# Altium PCB 2025001 B Soutra Plainsong Metronome_PCB.PcbDoc (part 1 of 2) (continued)
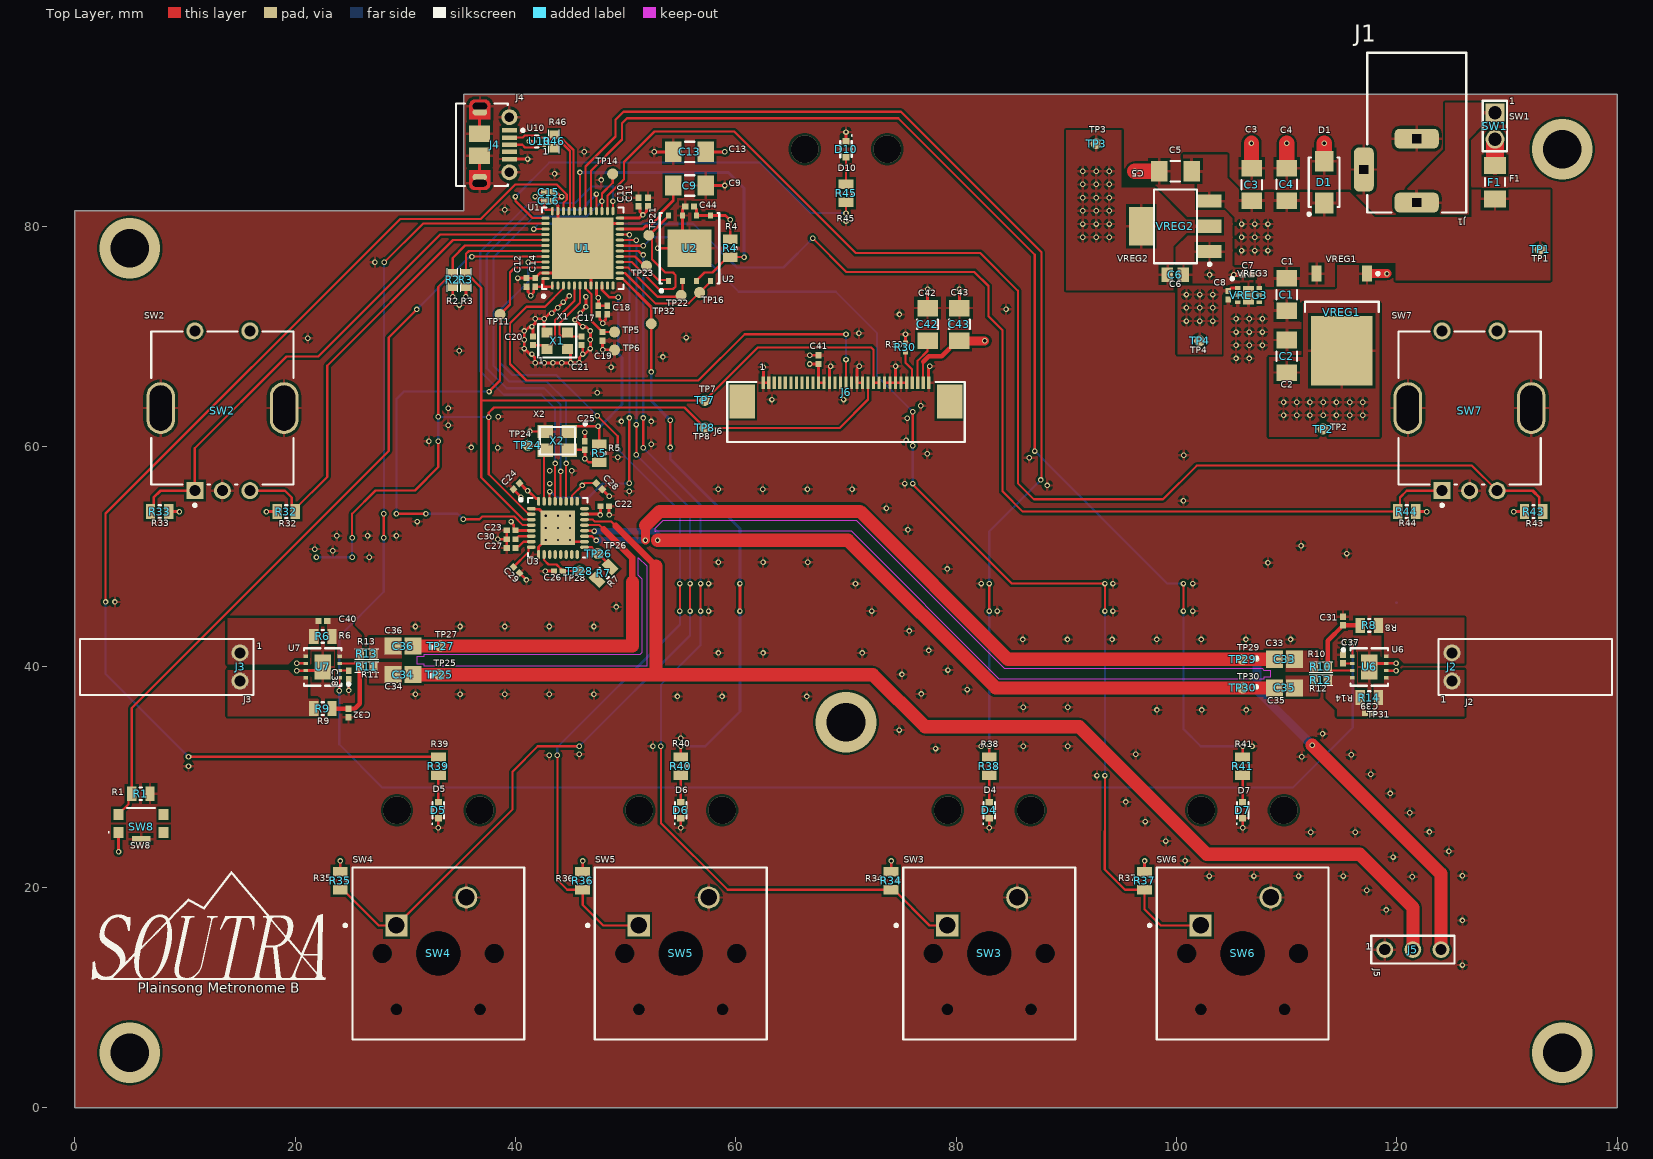
[diagram p0: Top Layer view]
## Part data (continued)
C31 C32 C39 C40: "Ceramic Capacitor, Multilayer, Ceramic, 50V, 10% +Tol, 10% -Tol, X7R, 15% TC, 0.00022uF, Surface Mount, 0402", Alternative Part Supplier Part Number=1758981, Capacitor Type=Ceramic, Case/Package=0402, Manufacturer=Yageo, Max Operating Temperature=125°C, Min Operating Temperature=-55°C, Package Shape=Rectangular, Package Style=SMTMeter, Rated DC Voltage (URdc)=50V, Supplier Part Number 1=4254872, Temperature Characteristics Code=X7R, Tolerance  (fill in as +-)=10%, Alternative Part=MC0402B221K500CT, Alternative Part Supplier=Farnell, Category="Ceramic Capacitors", ComponentLink1Description=https://datasheet.ciiva.com:443/pdfs/VipMasterIC/IC/YAGO/YAGO-S-A0003557223/YAGO-S-A0003557223-1.pdf?src-supplier=IHS+Markit, ComponentLink1URL=https://datasheet.ciiva.com:443/pdfs/VipMasterIC/IC/YAGO/YAGO-S-A0003557223/YAGO-S-A0003557223-1.pdf?src-supplier=IHS+Markit, ComponentLink2Description=https://datasheet.ciiva.com/13208/upy-gphc-x7r-6-3v-to-50v-8-12304-13208487.pdf?src-supplier=Mouser, ComponentLink2URL=https://datasheet.ciiva.com/13208/upy-gphc-x7r-6-3v-to-50v-8-12304-13208487.pdf?src-supplier=Mouser, Dielectric Material=Ceramic, Height=0.5mm, JESD-609 Code=e3, Length=1mm, Manufacturer Part Number=CC0402KPX7R9BB221, Mounting Technology="Surface Mount", Multilayer=Yes, Packaging="Tape and Reel", Pins=2, Pricing 1="10=0.0069, 500=0.0055, 2500=0.0042, 10000=0.003, 25000=0.0029, 50000=0.0028, 250000=0.0027, 500000=0.0026 (GBP)", Pricing 2="1=0.08, 10=0.016, 50=0.0092, 100=0.007", Reach SVHC Compliant=Yes, RoHS=Yes, RoHS Compliant=Yes, Stock 1=49750, Stock 2=333936, Supplier 1=Farnell, Supplier 2=Digikey, Supplier Part Number 2=311-1035-1-ND, Terminal Finish=Nickel, Termination=Wraparound, Tolerance (fill in as +-)=10%, Width=0.5mm
C33 C34 C35 C36: "Surface Mount Tantalum Capacitor, 2.2 µF, 16 V, 0805 [2012 Metric], ± 10%, 6.5 ohm, R", Manufacturer="AVX Interconnect / Elco", Supplier Part Number 1=2112773, Manufacturer Part Number=TAJR225K016RNJ, Part Number=TAJR225K016RNJ, Pricing 1="5=0.3684, 50=0.2592", Stock 1=340, Supplier 1=Farnell
D1: "TVS Diode, TRANSZORB SMAJ, Bidirectional, 13 V, 21.5 V, DO-214AC (SMA), 2 Pins", Manufacturer=Vishay, Supplier Part Number 1=3530003, Manufacturer Part Number=SMAJ13CAHM3_A/H, Pricing 1="5=0.168, 10=0.146, 100+0.122", Stock 1=8321, Supplier 1=Farnell
D4 D5 D6 D7 D10: "Led, Green, 70Mcd, 575Nm, 0603 Rohs Compliant: Yes", Alternative Part Manufacturer="AMS OSRAM GROUP", Alternative Part Supplier Part Number=2575345, Manufacturer=Multicomp, Supplier Part Number=3796313, Alternative Part="LG Q396-PS-35", Alternative Part Supplier=Farnell, Category=Uncategorized, Manufacturer Part Number=MP008282, Pricing="5=0.0713, 10=0.0611, 100=0.0476", RoHS=No, Stock=8324, Supplier=Farnell
F1: "MULTICOMP PRO MP001600Fuse, Surface Mount, 1.5 A, Fast Acting, 72 VDC, 1206 [3216 Metric]", Manufacturer=Multicomp, Supplier Part Number=3285103, Manufacturer Part Number=MP001600, Pricing="5=0.094, 50=0.0739, 250=0.0627, 500=0.0559, 1500=0.0459 (GBP)", RoHS=No, Stock=2998, Supplier=Farnell
J1: "Circular DC Power Connector", Manufacturer="Wurth Electronics", Supplier Part Number=2472149, Supplier Part Number 1=732-5930-ND, Category=Connectors, ComponentLink1Description=https://datasheet.ciiva.com:443/pdfs/VipMasterIC/IC/MIDC/MIDC-S-A0001193031/MIDC-S-A0001193031-1.pdf?src-supplier=IHS+Markit, ComponentLink1URL=https://datasheet.ciiva.com:443/pdfs/VipMasterIC/IC/MIDC/MIDC-S-A0001193031/MIDC-S-A0001193031-1.pdf?src-supplier=IHS+Markit, ComponentLink2Description=http://www.mouser.com/ds/2/445/6941xx303002-469289.pdf?src-supplier=Mouser, ComponentLink2URL=http://www.mouser.com/ds/2/445/6941xx303002-469289.pdf?src-supplier=Mouser, ComponentLink3Description=http://www.farnell.com/cad/2130963.pdf?src-supplier=Element14, ComponentLink3URL=http://www.farnell.com/cad/2130963.pdf?src-supplier=Element14, ComponentLink4Description=https://katalog.we-online.de/em/datasheet/6941xx303002.pdf?src-supplier=Digikey, ComponentLink4URL=https://katalog.we-online.de/em/datasheet/6941xx303002.pdf?src-supplier=Digikey, Connector Type=Circular,Power, Contact Finish - Mating="NOT SPECIFIED", Manufacturer Part Number=694103303002, Pricing="1=1.14, 10=0.84, 100=0.78", Pricing 1="1=0.81, 10=0.77, 50=0.68, 100=0.63", Reach SVHC Compliant=Yes, RoHS=Yes, RoHS Compliant=Yes, Stock=6324, Stock 1=11140, Supplier=Farnell, Supplier 1=Digikey
J2 J3: "Board Connector, 2 Contact(s), 1 Row(s), Male, Right Angle, 0.1 inch Pitch, Solder Terminal, Locking, Natural Insulator, Receptacle", Contact Resistance=10mR, Flammability Rating="UL94 V-0", Insulation Color=Natural, Insulation Resistance=1GR, Manufacturer=Molex, Max Operating Temperature=105°C, Min Operating Temperature=-40°C, Rated Current (Signal)=4A, Supplier Part Number 1=9731601, Body Breadth=0.228inch, Body Depth=0.568inch, Body Length=0.2inch, Body/Shell Style=RECEPTACLE, Category="Headers and Wire Housings", ComponentLink1Description=https://datasheet.ciiva.com:443/pdfs/VipMasterIC/IC/MOLE/MOLE-S-A0002841204/MOLE-S-A0002841204-1.pdf?src-supplier=IHS+Markit, ComponentLink1URL=https://datasheet.ciiva.com:443/pdfs/VipMasterIC/IC/MOLE/MOLE-S-A0002841204/MOLE-S-A0002841204-1.pdf?src-supplier=IHS+Markit, ComponentLink2Description=http://www.farnell.com/datasheets/2700806.pdf?src-supplier=Farnell, ComponentLink2URL=http://www.farnell.com/datasheets/2700806.pdf?src-supplier=Farnell, ComponentLink3Description=http://datasheet.octopart.com/22-05-7028-Molex-datasheet-10979095.pdf?src-supplier=Avnet, ComponentLink3URL=http://datasheet.octopart.com/22-05-7028-Molex-datasheet-10979095.pdf?src-supplier=Avnet, Connector Type="BOARD CONNECTOR", Contact Finish - Mating="TIN (200)", Contact Finish - Termination="Tin (Sn)", Contact Gender=Male, Contact Pattern=RECTANGULAR, Contact Style="SQ PIN-SKT", DIN Conformance=No, Durability=50Cycles, Filter Feature=No, IEC Conformance=No, Insertion Force-Max=1.946N, Insulation Material=Nylon, JESD-609 Code=e3, Manufacturer Part Number=22-05-7028, Mating Contact Pitch=0.1inch, Mating Information="MULTIPLE MATING PARTS AVAILABLE", MIL Conformance=No, Mixed Contacts=No, Mounting Option 1=LOCKING, Mounting Style="RIGHT ANGLE", Mounting Technology=Board, Number Of Connectors=1, Number of Contacts=2, Number Of PCB Rows=1, Number of Rows Loaded=1, Option="General Purpose", PCB Contact Pattern=RECTANGULAR, Plating Thickness=60uin, Polarization Key="POLARIZED HOUSING", Pricing 1="1=0.78, 10=0.64, 50=0.57, 100=0.50", Reach SVHC Compliant=Yes, Reference Standard=UL, Reliability=COMMERCIAL, RoHS=Yes, RoHS Compliant=Yes, Stock 1=34887, Supplier 1=Farnell, Terminal Length=0.15inch, Terminal Pitch=2.54mm, Termination=Solder, Withdrawl Force-Min=0.556N
J4: "Telecom and Datacom Connector, 5 Contact(s), Female, Right Angle, Surface Mount Terminal, Detent, Receptacle", Manufacturer=Molex, Manufacturer Part Number=105017-0001, Supplier Part Number=3500663, Supplier Part Number 1=8486764, Pricing=1=0.97, Pricing 1="5=0.754, 75=0.67", Supplier=Farnell, Supplier 1=Rs
J5: library part J_AUDIO_TRS
J6: "FFC/FPC Connector, 31 Contact(s), 1 Row(s), Female, Right Angle, 0.02 inch Pitch, Surface Mount Terminal, Locking, Natural Insulator", Contact Resistance=35mR, Dielectric Withstanding Voltage (AC)=250V, Flammability Rating="UL94 V-0", Insulation Color=Natural, Insulation Resistance=50MR, Manufacturer="TE Connectivity", Manufacturer Series=1734592, Max Operating Temperature=85°C, Min Operating Temperature=-40°C, Rated Current (Signal)=500mA, Supplier Part Number 1=3398664, Body Breadth=0.079inch, Body Depth=0.201inch, Body Length=0.824inch, Category="FFC / FPC", ComponentLink1Description=https://www.te.com:443/usa-en/product-3-1734592-1.datasheet.pdf?src-supplier=IHS+Markit, ComponentLink1URL=https://www.te.com:443/usa-en/product-3-1734592-1.datasheet.pdf?src-supplier=IHS+Markit, ComponentLink2Description=https://datasheet.ciiva.com/10364/eng-ds-1-1773440-6-0506-10364463.pdf?src-supplier=Avnet, ComponentLink2URL=https://datasheet.ciiva.com/10364/eng-ds-1-1773440-6-0506-10364463.pdf?src-supplier=Avnet, ComponentLink3Description=https://datasheet.ciiva.com/8066/1650059-8066840.pdf?src-supplier=Element14, ComponentLink3URL=https://datasheet.ciiva.com/8066/1650059-8066840.pdf?src-supplier=Element14, ComponentLink4Description=https://datasheet.ciiva.com/49629/eng-ds-1-1773440-6-0506-49629301.pdf?src-supplier=Onlinecomponents.com, ComponentLink4URL=https://datasheet.ciiva.com/49629/eng-ds-1-1773440-6-0506-49629301.pdf?src-supplier=Onlinecomponents.com, ComponentLink5Description=https://datasheet.ciiva.com/671/eng-cd-1734592-c-c-1734592-671970.pdf?src-supplier=Digikey, ComponentLink5URL=https://datasheet.ciiva.com/671/eng-cd-1734592-c-c-1734592-671970.pdf?src-supplier=Digikey, ComponentLink6Description=https://datasheet.ciiva.com/671/eng-cd-1734592-c-c-1734592-671971.pdf?src-supplier=Digikey, ComponentLink6URL=https://datasheet.ciiva.com/671/eng-cd-1734592-c-c-1734592-671971.pdf?src-supplier=Digikey, ComponentLink7Description=https://datasheet.ciiva.com/671/eng-cd-1734592-c-c-1734592-671972.pdf?src-supplier=Digikey, ComponentLink7URL=https://datasheet.ciiva.com/671/eng-cd-1734592-c-c-1734592-671972.pdf?src-supplier=Digikey, Connector Type="CARD EDGE CONNECTOR", Contact Finish - Mating="NOT SPECIFIED", Contact Gender=Female, Contact Pattern=RECTANGULAR, Contact Style="BELLOWED TYPE", DIN Conformance=No, Durability=15Cycles, Filter Feature=No, IEC Conformance=No, Insulation Material=Thermoplastic, Manufacturer Part Number=3-1734592-1, Mating Contact Pitch=0.02inch, Mating Information=NO, MIL Conformance=No, Mixed Contacts=No, Mounting Option 1=LOCKING, Mounting Style="RIGHT ANGLE", Mounting Technology=Board, Number of Contacts=31, Number Of PCB Rows=1, Number of Rows Loaded=1, Option="General Purpose", PCB Contact Pattern=RECTANGULAR, Pricing 1="1=1.44, 10=1.26, 100=1.15", Reach SVHC Compliant=Yes, Reference Standard=UL, Reliability=COMMERCIAL, RoHS=Yes, RoHS Compliant=Yes, Stock 1=10236, Supplier 1=Farnell, Terminal Pitch=0.5mm, Termination=SMD/SMT
R1 R4 R5 R6 R8 R9 R14 R32 R33 R34 R35 R36 R37 R43 R44: "Fixed Resistor, Metal Glaze/thick Film, 0.125W, 10000ohm, 150V, 5% +/-Tol, 100ppm/Cel, Surface Mount, 0805", Alternative Part Supplier Part Number=2073612, Case/Package=0805, Manufacturer=Yageo, Max Operating Temperature=155°C, Min Operating Temperature=-55°C, Package Height=0.5mm, Package Length=2mm, Package Shape=Rectangular, Package Style=SMTMeter, Package Width=1.25mm, Power=125mW, Rated Temperature=70°C, Resistor Type="FIXED RESISTOR", Supplier Part Number=9234136, Supplier Part Number 1=311-10KARCT-ND, Temperature Coefficient=100ppm/°C, Tolerance=5%, Working Voltage=150V, Additional Feature="LASER TRIMMABLE", Alternative Part="MCMR08X103 JTL", Alternative Part Supplier=Farnell, Category="Chip SMD Resistors", ComponentLink1Description=https://datasheet.ciiva.com:443/pdfs/VipMasterIC/IC/YAGO/YAGO-S-A0008145938/YAGO-S-A0008145938-1.pdf?src-supplier=IHS+Markit, ComponentLink1URL=https://datasheet.ciiva.com:443/pdfs/VipMasterIC/IC/YAGO/YAGO-S-A0008145938/YAGO-S-A0008145938-1.pdf?src-supplier=IHS+Markit, ComponentLink2Description=https://datasheet.ciiva.com/7983/444164-7983765.pdf?src-supplier=Element14, ComponentLink2URL=https://datasheet.ciiva.com/7983/444164-7983765.pdf?src-supplier=Element14, ComponentLink3Description=https://datasheet.ciiva.com/7941/444164-7941870.pdf?src-supplier=Element14, ComponentLink3URL=https://datasheet.ciiva.com/7941/444164-7941870.pdf?src-supplier=Element14, ComponentLink4Description=https://datasheet.ciiva.com/7941/444164-7941871.pdf?src-supplier=Element14, ComponentLink4URL=https://datasheet.ciiva.com/7941/444164-7941871.pdf?src-supplier=Element14, Construction=Chip, JESD-609 Code=e3, Manufacturer Part Number=RC0805JR-0710KL, Mounting Technology="Surface Mount", Packaging="Tape and Reel", Pins=2, Pricing="10=0.013, 100=0.007, 500=0.006", Pricing 1="1=0.08, 10=0.018, 50=0.011, 100=0.009", Reach SVHC Compliant=Yes, RoHS=Yes, RoHS Compliant=Yes, Stock=893694, Supplier=Farnell, Supplier 1=Digikey, Technology="METAL GLAZE/THICK FILM", Terminal Finish=Nickel, Termination=Wraparound
R2 R3: "Fixed Resistor, Metal Glaze/thick Film, 0.1W, 10000ohm, 75V, 5% +/-Tol, 200ppm/Cel, Surface Mount, 0603", Alternative Part Manufacturer="Stackpole Electronics Inc", Alternative Part Supplier Part Number=RMCF0603FT10K0CT-ND, Case/Package=0603, Manufacturer="KOA Speer", Max Operating Temperature=155°C, Min Operating Temperature=-55°C, Package Height=0.45mm, Package Length=1.6mm, Package Style=SMTMeter, Package Width=0.8mm, Power=100mW, Rated Temperature=70°C, Resistor Type="FIXED RESISTOR", Supplier Part Number=4009056, Supplier Part Number 1=2019-RK73B1JTTD103JCT-ND, Temperature Coefficient=200ppm/°C, Tolerance=5%, Working Voltage=75V, Alternative Part=RMCF0603FT10K0, Alternative Part Supplier=Digikey, Category="Chip SMD Resistors", ComponentLink1Description=https://datasheet.ciiva.com:443/pdfs/VipMasterIC/IC/KOAS/KOAS-S-A0009586303/KOAS-S-A0009586303-1.pdf?src-supplier=IHS+Markit, ComponentLink1URL=https://datasheet.ciiva.com:443/pdfs/VipMasterIC/IC/KOAS/KOAS-S-A0009586303/KOAS-S-A0009586303-1.pdf?src-supplier=IHS+Markit, ComponentLink2Description=https://datasheet.ciiva.com/34302/1877832-34302947.pdf?src-supplier=Jameco, ComponentLink2URL=https://datasheet.ciiva.com/34302/1877832-34302947.pdf?src-supplier=Jameco, ComponentLink3Description=https://datasheet.ciiva.com/7773/548635-7773278.pdf?src-supplier=Element14, ComponentLink3URL=https://datasheet.ciiva.com/7773/548635-7773278.pdf?src-supplier=Element14, ComponentLink4Description=https://datasheet.ciiva.com/5554/rk73b-5554408.pdf?src-supplier=Mouser, ComponentLink4URL=https://datasheet.ciiva.com/5554/rk73b-5554408.pdf?src-supplier=Mouser, Construction=Rectangular, JESD-609 Code=e3, Manufacturer Part Number=RK73B1JTTD103J, Mounting Technology="Surface Mount", Packaging="Tape and Reel", Pins=2, Pricing="10=0.009, 100=0.003", Pricing 1="1=0.08, 10=0.012, 50=0.0078, 100=0.0064", Reach SVHC Compliant=Yes, Reference Standard=AEC-Q200, RoHS=Yes, RoHS Compliant=Yes, Stock=750000, Supplier=Farnell, Supplier 1=Digikey, Technology="METAL GLAZE/THICK FILM", Terminal Finish=Nickel, Termination=Wraparound
R7: "Fixed Resistor, Metal Glaze/thick Film, 0.33W, 2700ohm, 150V, 1% +/-Tol, 100ppm/Cel, Surface Mount, 0805", Alternative Part Manufacturer="Multicomp Pro", Alternative Part Supplier Part Number=9332375, Manufacturer="TE Connectivity", Resistor Type="FIXED RESISTOR", Supplier Part Number=2332077, Supplier Part Number 1=279-CRGH0805F2K7, Alternative Part=MC01W08051100R, Alternative Part Supplier=Farnell, Category="Chip SMD Resistors", ComponentLink1Description=https://www.te.com:443/usa-en/product-1-2176185-0.datasheet.pdf?src-supplier=IHS+Markit, ComponentLink1URL=https://www.te.com:443/usa-en/product-1-2176185-0.datasheet.pdf?src-supplier=IHS+Markit, ComponentLink2Description=https://datasheet.ciiva.com/22670/1755795-22670377.pdf?src-supplier=Element14, ComponentLink2URL=https://datasheet.ciiva.com/22670/1755795-22670377.pdf?src-supplier=Element14, ComponentLink3Description=https://datasheet.ciiva.com/28583/1755795-28583016.pdf?src-supplier=Element14, ComponentLink3URL=https://datasheet.ciiva.com/28583/1755795-28583016.pdf?src-supplier=Element14, Manufacturer Part Number=CRGH0805F2K7, Pins=2, Pricing=10=0.0381, Pricing 1="1=0.096, 10=0.065, 100=0.033", Reach SVHC Compliant=Yes, RoHS=Yes, RoHS Compliant=Yes, Stock=2438, Supplier=Farnell, Supplier 1=Mouser
R10 R11 R12 R13: "Fixed Resistor, 0.1W, 5100ohm, 75V, 5% +/-Tol, 100ppm/Cel, Surface Mount, 0603", Alternative Part Supplier Part Number=2073522, Case/Package=0603, Manufacturer=Multicomp, Manufacturer Series=MCMR06, Max Operating Temperature=155°C, Min Operating Temperature=-55°C, Package Shape=Rectangular, Power=100mW, Rated Temperature=70°C, Resistor Type="FIXED RESISTOR", Supplier Part Number 1=2073528, Temperature Coefficient=100ppm/°C, Tolerance=5%, Working Voltage=75V, Alternative Part=MCMR06X5101FTL, Alternative Part Supplier=Farnell, Category="Chip SMD Resistors", ComponentLink1Description=https://datasheet.ciiva.com:443/pdfs/VipMasterIC/IC/SCMP/SCMPS00167/SCMPS00167-1.pdf?src-supplier=IHS+Markit, ComponentLink1URL=https://datasheet.ciiva.com:443/pdfs/VipMasterIC/IC/SCMP/SCMPS00167/SCMPS00167-1.pdf?src-supplier=IHS+Markit, ComponentLink2Description=https://datasheet.ciiva.com/28686/1716707-28686598.pdf?src-supplier=Element14, ComponentLink2URL=https://datasheet.ciiva.com/28686/1716707-28686598.pdf?src-supplier=Element14, JESD-609 Code=e3, Manufacturer Part Number=MCMR06X512JTL, Mounting Technology="Surface Mount", Packaging="Tape and Reel", Pins=2, Pricing 1="10=0.0065, 100=0.0056, 500=0.0047, 1000=0.004, 2500=0.0027, 5000=0.0021, 25000=0.0016, 50000=0.0013 (GBP)", Reference Standard=AEC-Q200, RoHS=Yes, RoHS Compliant=Yes, Stock 1=4951, Supplier 1=Farnell, Terminal Finish=Tin, Termination=Wraparound
R30: "Fixed Resistor, Metal Glaze/thick Film, 0.0625W, 590000ohm, 50V, 1% +/-Tol, 100ppm/Cel, Surface Mount, 0402", Alternative Part Manufacturer=Vishay, Alternative Part Supplier Part Number=2141013, Case/Package=0402, Manufacturer=Yageo, Max Operating Temperature=155°C, Min Operating Temperature=-55°C, Package Height=0.35mm, Package Length=1mm, Package Shape=Rectangular, Package Style=SMTMeter, Package Width=0.5mm, Power=62.5mW, Rated Temperature=70°C, Resistor Type="FIXED RESISTOR", Supplier Part Number 1=3951243, Temperature Coefficient=100ppm/°C, Tolerance=1%, Working Voltage=50V, Additional Feature="LASER TRIMMABLE", Alternative Part=CRCW0402590KFKED, Alternative Part Supplier=Farnell, Category="Chip SMD Resistors", ComponentLink1Description=https://datasheet.ciiva.com:443/pdfs/VipMasterIC/IC/YAGO/YAGO-S-A0008145938/YAGO-S-A0008145938-1.pdf?src-supplier=IHS+Markit, ComponentLink1URL=https://datasheet.ciiva.com:443/pdfs/VipMasterIC/IC/YAGO/YAGO-S-A0008145938/YAGO-S-A0008145938-1.pdf?src-supplier=IHS+Markit, ComponentLink2Description=https://datasheet.ciiva.com/8885/pyu-rc0402-51-rohs-l-6-8885212.pdf?src-supplier=Avnet, ComponentLink2URL=https://datasheet.ciiva.com/8885/pyu-rc0402-51-rohs-l-6-8885212.pdf?src-supplier=Avnet, ComponentLink3Description=https://datasheet.ciiva.com/17419/pyu-rc0402-51-rohs-l-6-r-17419533.pdf?src-supplier=Future+Electronics, ComponentLink3URL=https://datasheet.ciiva.com/17419/pyu-rc0402-51-rohs-l-6-r-17419533.pdf?src-supplier=Future+Electronics, Construction=Chip, JESD-609 Code=e3, Manufacturer Part Number=RC0402FR-07590KL, Mounting Technology="Surface Mount", Packaging="Tape and Reel", Pins=2, Pricing 1="10=0.0096, 100=0.0055", Pricing 2="1=0.08, 10=0.012, 50=0.007, 100=0.0058", Reach SVHC Compliant=Yes, RoHS=Yes, RoHS Compliant=Yes, Stock 1=37168, Stock 2=999878, Supplier 1=Farnell, Supplier 2=Digikey, Supplier Part Number 2=311-59KLRCT-ND, Technology="METAL GLAZE/THICK FILM", Terminal Finish=Nickel, Termination=Wraparound
R38 R39 R40 R41 R45: "Fixed Resistor, Metal Glaze/thick Film, 0.125W, 100ohm, 150V, 1% +/-Tol, 100ppm/Cel, Surface Mount, 0805", Alternative Part Manufacturer=VISHAY, Alternative Part Supplier Part Number=1469862, Case/Package=0805, Manufacturer="Vishay Dale", Max Operating Temperature=155°C, Min Operating Temperature=-55°C, Package Height=0.45mm, Package Length=2mm, Package Shape=Rectangular, Package Style=SMTMeter, Package Width=1.25mm, Power=125mW, Rated Temperature=70°C, Resistor Type="FIXED RESISTOR", Supplier Part Number=1652906, Supplier Part Number 1=71-CRCW0805-100, Temperature Coefficient=100ppm/°C, Tolerance=1%, Working Voltage=150V, Alternative Part=CRCW0805100RFKEA, Alternative Part Supplier=Farnell, Category="Chip SMD Resistors", ComponentLink1Description=https://datasheet.ciiva.com:443/pdfs/VipMasterIC/IC/VISH/VISH-S-A0002183699/VISH-S-A0002183699-1.pdf?src-supplier=IHS+Markit, ComponentLink1URL=https://datasheet.ciiva.com:443/pdfs/VipMasterIC/IC/VISH/VISH-S-A0002183699/VISH-S-A0002183699-1.pdf?src-supplier=IHS+Markit, ComponentLink2Description=https://datasheet.ciiva.com/48525/dcrcw-48525548.pdf?src-supplier=Avnet, ComponentLink2URL=https://datasheet.ciiva.com/48525/dcrcw-48525548.pdf?src-supplier=Avnet, ComponentLink3Description=https://datasheet.ciiva.com/3258/dcrcw-3258014.pdf?src-supplier=Avnet, ComponentLink3URL=https://datasheet.ciiva.com/3258/dcrcw-3258014.pdf?src-supplier=Avnet, ComponentLink4Description=https://datasheet.ciiva.com/2567/dcrcw-2567005.pdf?src-supplier=Digi-Key, ComponentLink4URL=https://datasheet.ciiva.com/2567/dcrcw-2567005.pdf?src-supplier=Digi-Key, ComponentLink5Description=https://datasheet.ciiva.com/22673/1533075-22673125.pdf?src-supplier=Element14, ComponentLink5URL=https://datasheet.ciiva.com/22673/1533075-22673125.pdf?src-supplier=Element14, ComponentLink6Description=https://datasheet.ciiva.com/16498/dcrcw-16498296.pdf?src-supplier=Future+Electronics, ComponentLink6URL=https://datasheet.ciiva.com/16498/dcrcw-16498296.pdf?src-supplier=Future+Electronics, Construction=Chip, JESD-609 Code=e0, Manufacturer Part Number=CRCW0805100RFKTA, Mounting Technology="Surface Mount", Packaging="Tape and Reel", Pins=2, Pricing="10=0.06, 100=0.026", Pricing 1="1=0.12, 10=0.042, 100=0.027", Reach SVHC Compliant=No, Reference Standard=AEC-Q200, RoHS=No, RoHS Compliant=No, Stock=46002, Supplier=Farnell, Supplier 1=Mouser, Technology="METAL GLAZE/THICK FILM", Terminal Finish=Nickel, Termination=Wraparound
R46: "Res Thick Film 0603 91 Ohm 1% 0.25W(1/4W) ±100ppm/C Pad SMD Automotive T/R", Manufacturer=Panasonic, Supplier Part Number=2335962, Category="Chip SMD Resistors", ComponentLink1Description=https://datasheet.ciiva.com/49048/1801181-49048216.pdf?src-supplier=Element14, ComponentLink1URL=https://datasheet.ciiva.com/49048/1801181-49048216.pdf?src-supplier=Element14, Manufacturer Part Number=ERJ-PA3F91R0V, Pricing="10=0.05, 100=0.03", RoHS=Yes, Stock=5736, Supplier=Farnell
SW1: "PTH Mounting Holes for Wire-to-board switch, 1.2mm diameter, >=17AWG"
SW2 SW7: "Rotary Position Encoder, Single, 2 Channels", Manufacturer=Bourns, Max Operating Temperature=70°C, Min Operating Temperature=-30°C, Supplier Part Number=2663532, Supplier Part Number 1=PEC12R-4220F-S0024-ND, Category=Encoders, Channels=1, ComponentLink1Description=https://datasheet.ciiva.com:443/pdfs/VipMasterIC/IC/BOUR/BOUR-S-A0008996893/BOUR-S-A0008996893-1.pdf?src-supplier=IHS+Markit, ComponentLink1URL=https://datasheet.ciiva.com:443/pdfs/VipMasterIC/IC/BOUR/BOUR-S-A0008996893/BOUR-S-A0008996893-1.pdf?src-supplier=IHS+Markit, ComponentLink2Description=https://datasheet.ciiva.com/29349/pec12r-29349497.pdf?src-supplier=Digikey, ComponentLink2URL=https://datasheet.ciiva.com/29349/pec12r-29349497.pdf?src-supplier=Digikey, Manufacturer Part Number=PEC12R-4220F-S0024, Optoelectronic Device Type="ROTARY POSITION ENCODER", Pricing="1=1.7, 5=1.49, 10=1.26, 20=1.16, 40=1.06, 75=0.97", Pricing 1="1=1.28, 5=1.21, 10=1.14, 25=1.04, 75=0.97", Reach SVHC Compliant=Yes, RoHS=Yes, RoHS Compliant=Yes, Stock=3003, Stock 1=677, Supplier=Farnell, Supplier 1=Digikey
SW3 SW4 SW5 SW6: "Keypad Switch, 1 Switches, SPST, Momentary, 0.01A, 12VDC, 0.78N, Solder Terminal, Through Hole-straight", Contact Current(DC)-Max=10mA, Contact DC Max Rating R Load=.01A@12VDC, Contact Voltage(DC)-Max=12V, Manufacturer=Cherry, Manufacturer Series=MX, Max Operating Temperature=70°C, Min Operating Temperature=-10°C, Operating Force-Max=0.78N, Supplier Part Number=ACHERSW0315325, Body Breadth=15.6inch, Body Height=11.6mm, Body Length or Diameter=15.6mm, Category="Pushbutton Switches", Circuit Configuration=1X1, ComponentLink1Description=https://datasheet.ciiva.com:443/pdfs/VipMasterIC/IC/CHCP/CHCP-S-A0000003074/CHCP-S-A0000003074-1.pdf?src-supplier=IHS+Markit, ComponentLink1URL=https://datasheet.ciiva.com:443/pdfs/VipMasterIC/IC/CHCP/CHCP-S-A0000003074/CHCP-S-A0000003074-1.pdf?src-supplier=IHS+Markit, ComponentLink2Description=https://datasheet.ciiva.com/19475/513412-19475559.pdf?src-supplier=Jameco, ComponentLink2URL=https://datasheet.ciiva.com/19475/513412-19475559.pdf?src-supplier=Jameco, ComponentLink3Description=https://datasheet.ciiva.com/29188/706333-da-01-de-tastenmodul-mx1a-11nw-0-01a-12v-29188128.pdf?src-supplier=Conrad, ComponentLink3URL=https://datasheet.ciiva.com/29188/706333-da-01-de-tastenmodul-mx1a-11nw-0-01a-12v-29188128.pdf?src-supplier=Conrad, ComponentLink4Description=https://datasheet.ciiva.com/2869/mxseries-2869564.pdf?src-supplier=Digikey, ComponentLink4URL=https://datasheet.ciiva.com/2869/mxseries-2869564.pdf?src-supplier=Digikey, ComponentLink5Description=https://datasheet.ciiva.com/22638/1825426-22638522.pdf?src-supplier=Element14, ComponentLink5URL=https://datasheet.ciiva.com/22638/1825426-22638522.pdf?src-supplier=Element14, ComponentLink6Description=https://datasheet.ciiva.com/1701/1825426-1701391.pdf?src-supplier=Newark, ComponentLink6URL=https://datasheet.ciiva.com/1701/1825426-1701391.pdf?src-supplier=Newark, ComponentLink7Description=https://datasheet.ciiva.com/30215/cherry-mx-series-key-switch-30215301.pdf?src-supplier=Onlinecomponents.com, ComponentLink7URL=https://datasheet.ciiva.com/30215/cherry-mx-series-key-switch-30215301.pdf?src-supplier=Onlinecomponents.com, ComponentLink8Description=https://datasheet.ciiva.com/14536/70207618-14536679.pdf?src-supplier=Allied+Electronics, ComponentLink8URL=https://datasheet.ciiva.com/14536/70207618-14536679.pdf?src-supplier=Allied+Electronics, Contact Bounce Time-Max=5ms, Electrical Life=50000000Cycles, Manufacturer Part Number=MX1A-11NW, Mounting Technology="Through Hole", Number of Switches=1, Pricing=10=5, Reach SVHC Compliant=Yes, RoHS=Yes, RoHS Compliant=Yes, Supplier="Mech Boards", Switch Action=MOMENTARY, Switch Function=SPST, Switch Type=Keypad, Termination=Solder
SW8: "Switch Tactile N.O. SPST Round Button Gull Wing 0.05A 32VDC 1VA 200000Cycle 4N SMD T/R", Case/Package=SMD/SMT, Contact Current Rating=50mA, Contact Resistance=100mΩ, Insulation Resistance=1GΩ, Manufacturer="C&K Components", Max Operating Temperature=85°C, Max Voltage Rating (DC)=32V, Min Operating Temperature=-40°C, Operating Force=4N, Power Rating=1W, Supplier Part Number=2908777, Actuator Length=508µm, Category="Tactile Switches", ComponentLink1Description=https://datasheet.octopart.com:443/KMR242G-LFS-C%26K-Components-datasheet-67873663.pdf?src-supplier=IHS, ComponentLink1URL=https://datasheet.octopart.com:443/KMR242G-LFS-C%26K-Components-datasheet-67873663.pdf?src-supplier=IHS, ComponentLink2Description=https://datasheet.octopart.com:443/KMR242GLFS-C%26K-Components-datasheet-104408627.pdf?src-supplier=Electro+Sonic, ComponentLink2URL=https://datasheet.octopart.com:443/KMR242GLFS-C%26K-Components-datasheet-104408627.pdf?src-supplier=Electro+Sonic, ComponentLink3Description=https://datasheet.octopart.com:443/KMR242GLFS-C%26K-Components-datasheet-13389051.pdf?src-supplier=Electro+Sonic, ComponentLink3URL=https://datasheet.octopart.com:443/KMR242GLFS-C%26K-Components-datasheet-13389051.pdf?src-supplier=Electro+Sonic, ComponentLink4Description=http://sigma.octopart.com:80/reach_statement/ITT-company-18.pdf?src-supplier=Compliance+Statements, ComponentLink4URL=http://sigma.octopart.com:80/reach_statement/ITT-company-18.pdf?src-supplier=Compliance+Statements, Contact Material=Silver, Contact Plating=Silver, Current Rating=50mA, Depth=4.6mm, Electrical Life=200kcycles, Height=1.4mm, Illumination Type=Non-Illuminated, Length=4.2mm, Lifecycle Status=Production, Manufacturer Part Number="KMR242G LFS", Max Current Rating=50mA, Mechanical Life=200kcycles, Mounting Technology="Surface Mount", Number of Positions=1, Orientation=Straight, Packaging="Tape and Reel", Pricing="10=0.297, 50=0.27, 100=0.258, 250=0.227 (GBP)", Radiation Hardening=No, REACH SVHC=Yes, RoHS=Compliant, Sealable=IP40, Stock=46207, Supplier=Farnell, Switch Function=Off-Mom, Switch Travel=300µm, Termination="Gull Wing", Throw Configuration=SPST, Voltage Rating (DC)=32V
TP1 TP2 TP3 TP4 TP5 TP6 TP7 TP8 TP11 TP12 TP13 TP14 TP15 TP16 TP21 TP22 TP23 TP24 TP25 TP26 TP27 TP28 TP29 TP30 TP31 TP32: "Test Point, SMD, Circular, Radius = 1mm"
U1: "RISC Microcontroller, 32-Bit, FLASH, 84MHz, CMOS", Case/Package=HVQCCN, Clock Frequency=26MHz, Manufacturer=STMicroelectronics, Max Operating Temperature=105°C, Max Supply Voltage=3.6V, Min Operating Temperature=-40°C, Min Supply Voltage=1.7V, Nominal Supply Voltage=3.3V, Package Shape=Square, Package Style="CHIP CARRIER, HEAT SINK/SLUG, VERY THIN PROFILEMeter", Supplier Part Number=2469576, Temperature Grade=INDUSTRIAL, Category=Microcontrollers, ComponentLink1Description=https://datasheet.ciiva.com:443/pdfs/VipMasterIC/IC/SGST/SGST-S-A0002802577/SGST-S-A0002802577-1.pdf?src-supplier=IHS+Markit, ComponentLink1URL=https://datasheet.ciiva.com:443/pdfs/VipMasterIC/IC/SGST/SGST-S-A0002802577/SGST-S-A0002802577-1.pdf?src-supplier=IHS+Markit, ComponentLink2Description=http://www.farnell.com/datasheets/2308718.pdf?src-supplier=Farnell, ComponentLink2URL=http://www.farnell.com/datasheets/2308718.pdf?src-supplier=Farnell, ComponentLink3Description=http://www.mouser.com/ds/2/389/stm32f401cb-956305.pdf?src-supplier=Mouser, ComponentLink3URL=http://www.mouser.com/ds/2/389/stm32f401cb-956305.pdf?src-supplier=Mouser, ComponentLink4Description=http://www.st.com/content/ccc/resource/technical/document/datasheet/9e/50/b1/5a/5f/ae/4d/c1/DM00086815.pdf/files/DM00086815.pdf/jcr:content/translations/en.DM00086815.pdf?src-supplier=Digikey, ComponentLink4URL=http://www.st.com/content/ccc/resource/technical/document/datasheet/9e/50/b1/5a/5f/ae/4d/c1/DM00086815.pdf/files/DM00086815.pdf/jcr:content/translations/en.DM00086815.pdf?src-supplier=Digikey, ComponentLink5Description=http://www.st.com/st-web-ui/static/active/en/resource/technical/document/datasheet/DM00102166.pdf?src-supplier=Avnet, ComponentLink5URL=http://www.st.com/st-web-ui/static/active/en/resource/technical/document/datasheet/DM00102166.pdf?src-supplier=Avnet, ComponentLink6Description=https://datasheet.octopart.com/STM32F401CBU7-STMicroelectronics-datasheet-46749032.pdf?src-supplier=Element14, ComponentLink6URL=https://datasheet.octopart.com/STM32F401CBU7-STMicroelectronics-datasheet-46749032.pdf?src-supplier=Element14, ComponentLink7Description=https://datasheet.octopart.com/STM32F401CBU7-STMicroelectronics-datasheet-27616295.pdf?src-supplier=Newark, ComponentLink7URL=https://datasheet.octopart.com/STM32F401CBU7-STMicroelectronics-datasheet-27616295.pdf?src-supplier=Newark, ComponentLink8Description=https://datasheet.octopart.com/STM32F401CBU7-STMicroelectronics-datasheet-68305517.pdf?src-supplier=SHENGYU+ELECTRONICS, ComponentLink8URL=https://datasheet.octopart.com/STM32F401CBU7-STMicroelectronics-datasheet-68305517.pdf?src-supplier=SHENGYU+ELECTRONICS, Height - Seated (Max)=0.6mm, JESD-30 Code=S-XQCC-N48, Length=7mm, Manufacturer Part Number=STM32F401CBU7, Number of I/O Lines=36, Pins=48, Pricing=1=3.42, Pricing 1="1=4.88, 10=4.38, 25=4.14, 80=3.59", Reach SVHC Compliant=Yes, RoHS=Yes, RoHS Compliant=Yes, Speed=84RPM, Stock=7280, Supplier=Farnell, Supplier 1=Digikey, Supplier Part Number 1=STM32F401CBU7, Surface Mount=Yes, Technology=CMOS, Terminal Form="No Lead", Terminal Pitch=0.5mm, Terminal Position=QUAD, Width=7mm
U2: "Flash, 64MX1, PDSO8", Case/Package=HVSON, Clock Frequency=85MHz, Manufacturer="Adesto Technologies", Max Operating Temperature=85°C, Max Supply Voltage=3.6V, Min Operating Temperature=-40°C, Min Supply Voltage=1.7V, Nominal Supply Voltage=2.3V, Operating Mode=SYNCHRONOUS, Package Body Material=Plastic, Package Shape=Rectangular, Package Style="SMALL OUTLINE, HEAT SINK/SLUG, VERY THIN PROFILEMeter", Peak Reflow Temperature (Cel)=260°C, Programming Voltage=1.8V, Supplier Part Number=2910029, Supplier Part Number 1=1265-1227-ND, Temperature Grade=INDUSTRIAL, Category=Memory, Channels=1, ComponentLink1Description=https://datasheet.ciiva.com:443/pdfs/VipMasterIC/IC/ADET/ADET-S-A0007923472/ADET-S-A0007923472-1.pdf?src-supplier=IHS+Markit, ComponentLink1URL=https://datasheet.ciiva.com:443/pdfs/VipMasterIC/IC/ADET/ADET-S-A0007923472/ADET-S-A0007923472-1.pdf?src-supplier=IHS+Markit, ComponentLink2Description=http://www.farnell.com/datasheets/1809895.pdf?src-supplier=Farnell, ComponentLink2URL=http://www.farnell.com/datasheets/1809895.pdf?src-supplier=Farnell, ComponentLink3Description=http://www.mouser.com/ds/2/590/DS-45DB641E-027-534005.pdf?src-supplier=Mouser, ComponentLink3URL=http://www.mouser.com/ds/2/590/DS-45DB641E-027-534005.pdf?src-supplier=Mouser, ComponentLink4Description=http://www.adestotech.com/sites/default/files/datasheets/DS-45DB641E-027.pdf?src-supplier=Avnet, ComponentLink4URL=http://www.adestotech.com/sites/default/files/datasheets/DS-45DB641E-027.pdf?src-supplier=Avnet, ComponentLink5Description=http://www.adestotech.com/wp-content/uploads/DS-45DB641E-027.pdf?src-supplier=Digikey, ComponentLink5URL=http://www.adestotech.com/wp-content/uploads/DS-45DB641E-027.pdf?src-supplier=Digikey, ComponentLink6Description=http://datasheet.octopart.com/AT45DB641E-MHN-Y-Adesto-Technologies-datasheet-24999053.pdf?src-supplier=Newark, ComponentLink6URL=http://datasheet.octopart.com/AT45DB641E-MHN-Y-Adesto-Technologies-datasheet-24999053.pdf?src-supplier=Newark, ComponentLink7Description=http://www.farnell.com/datasheets/1809895.pdf?src-supplier=Element14, ComponentLink7URL=http://www.farnell.com/datasheets/1809895.pdf?src-supplier=Element14, ComponentLink8Description=https://datasheet.octopart.com/AT45DB641E-MHN-Y-Adesto-Technologies-datasheet-158990717.pdf?src-supplier=SHENGYU+ELECTRONICS, ComponentLink8URL=https://datasheet.octopart.com/AT45DB641E-MHN-Y-Adesto-Technologies-datasheet-158990717.pdf?src-supplier=SHENGYU+ELECTRONICS, Density=67108864b, Height - Seated (Max)=0.6mm, JESD-30 Code=R-PDSO-N8, JESD-609 Code=e4, Length=6mm, Manufacturer Part Number=AT45DB641E-MHN-Y, Memory Format=FLASH, Memory Size=67108864, Memory Width=1, Moisture Sensitivity Level=1, Number of Words Code=64M, Organization=64MX1, Parallel/Serial=SERIAL, Pins=8, Pricing="1=5.02, 10=4.15, 25=3.97, 50=3.80, 100=3.62", Pricing 1="1=4.65, 10=4.24, 25=4.16, 40=4.13, 80=3.70", Reach SVHC Compliant=Yes, RoHS=Yes, RoHS Compliant=Yes, Stock=5373, Supplier=Farnell, Supplier 1=Digikey, Surface Mount=Yes, Technology=CMOS, Terminal Finish=Nickel, Terminal Form="No Lead", Terminal Pitch=1.27mm, Terminal Position=DUAL, Type="NOR TYPE", Width=5mm
U3: library part MAX9867ETJ+T, "PCM Codec", Manufacturer=Maxim, Supplier Part Number=2517273, Supplier Part Number 1=MAX9867ETJ+TCT-ND, Category=CODECs, ComponentLink1Description=https://datasheet.ciiva.com:443/pdfs/VipMasterIC/IC/MAXM/MAXMS11328/MAXMS11328-1.pdf?src-supplier=IHS+Markit, ComponentLink1URL=https://datasheet.ciiva.com:443/pdfs/VipMasterIC/IC/MAXM/MAXMS11328/MAXMS11328-1.pdf?src-supplier=IHS+Markit, ComponentLink2Description=https://datasheet.ciiva.com/1694/max9867-1694642.pdf?src-supplier=Digikey, ComponentLink2URL=https://datasheet.ciiva.com/1694/max9867-1694642.pdf?src-supplier=Digikey, Manufacturer Part Number=MAX9867ETJ+T, Moisture Sensitivity Level=1, Pricing="1=2.92, 10=2.45, 25=2.3, 100=2.15", Pricing 1="1=2.95, 10=2.65, 25=2.5, 100=2.17", Reach SVHC Compliant=Yes, RoHS=Yes, RoHS Compliant=Yes, Stock=1095, Supplier=Farnell, Supplier 1=Digikey, Telecom IC Type="PCM CODEC"